# Altium PCB Allwinner_A13_BRD.PcbDoc (part 4 of 5) (continued)
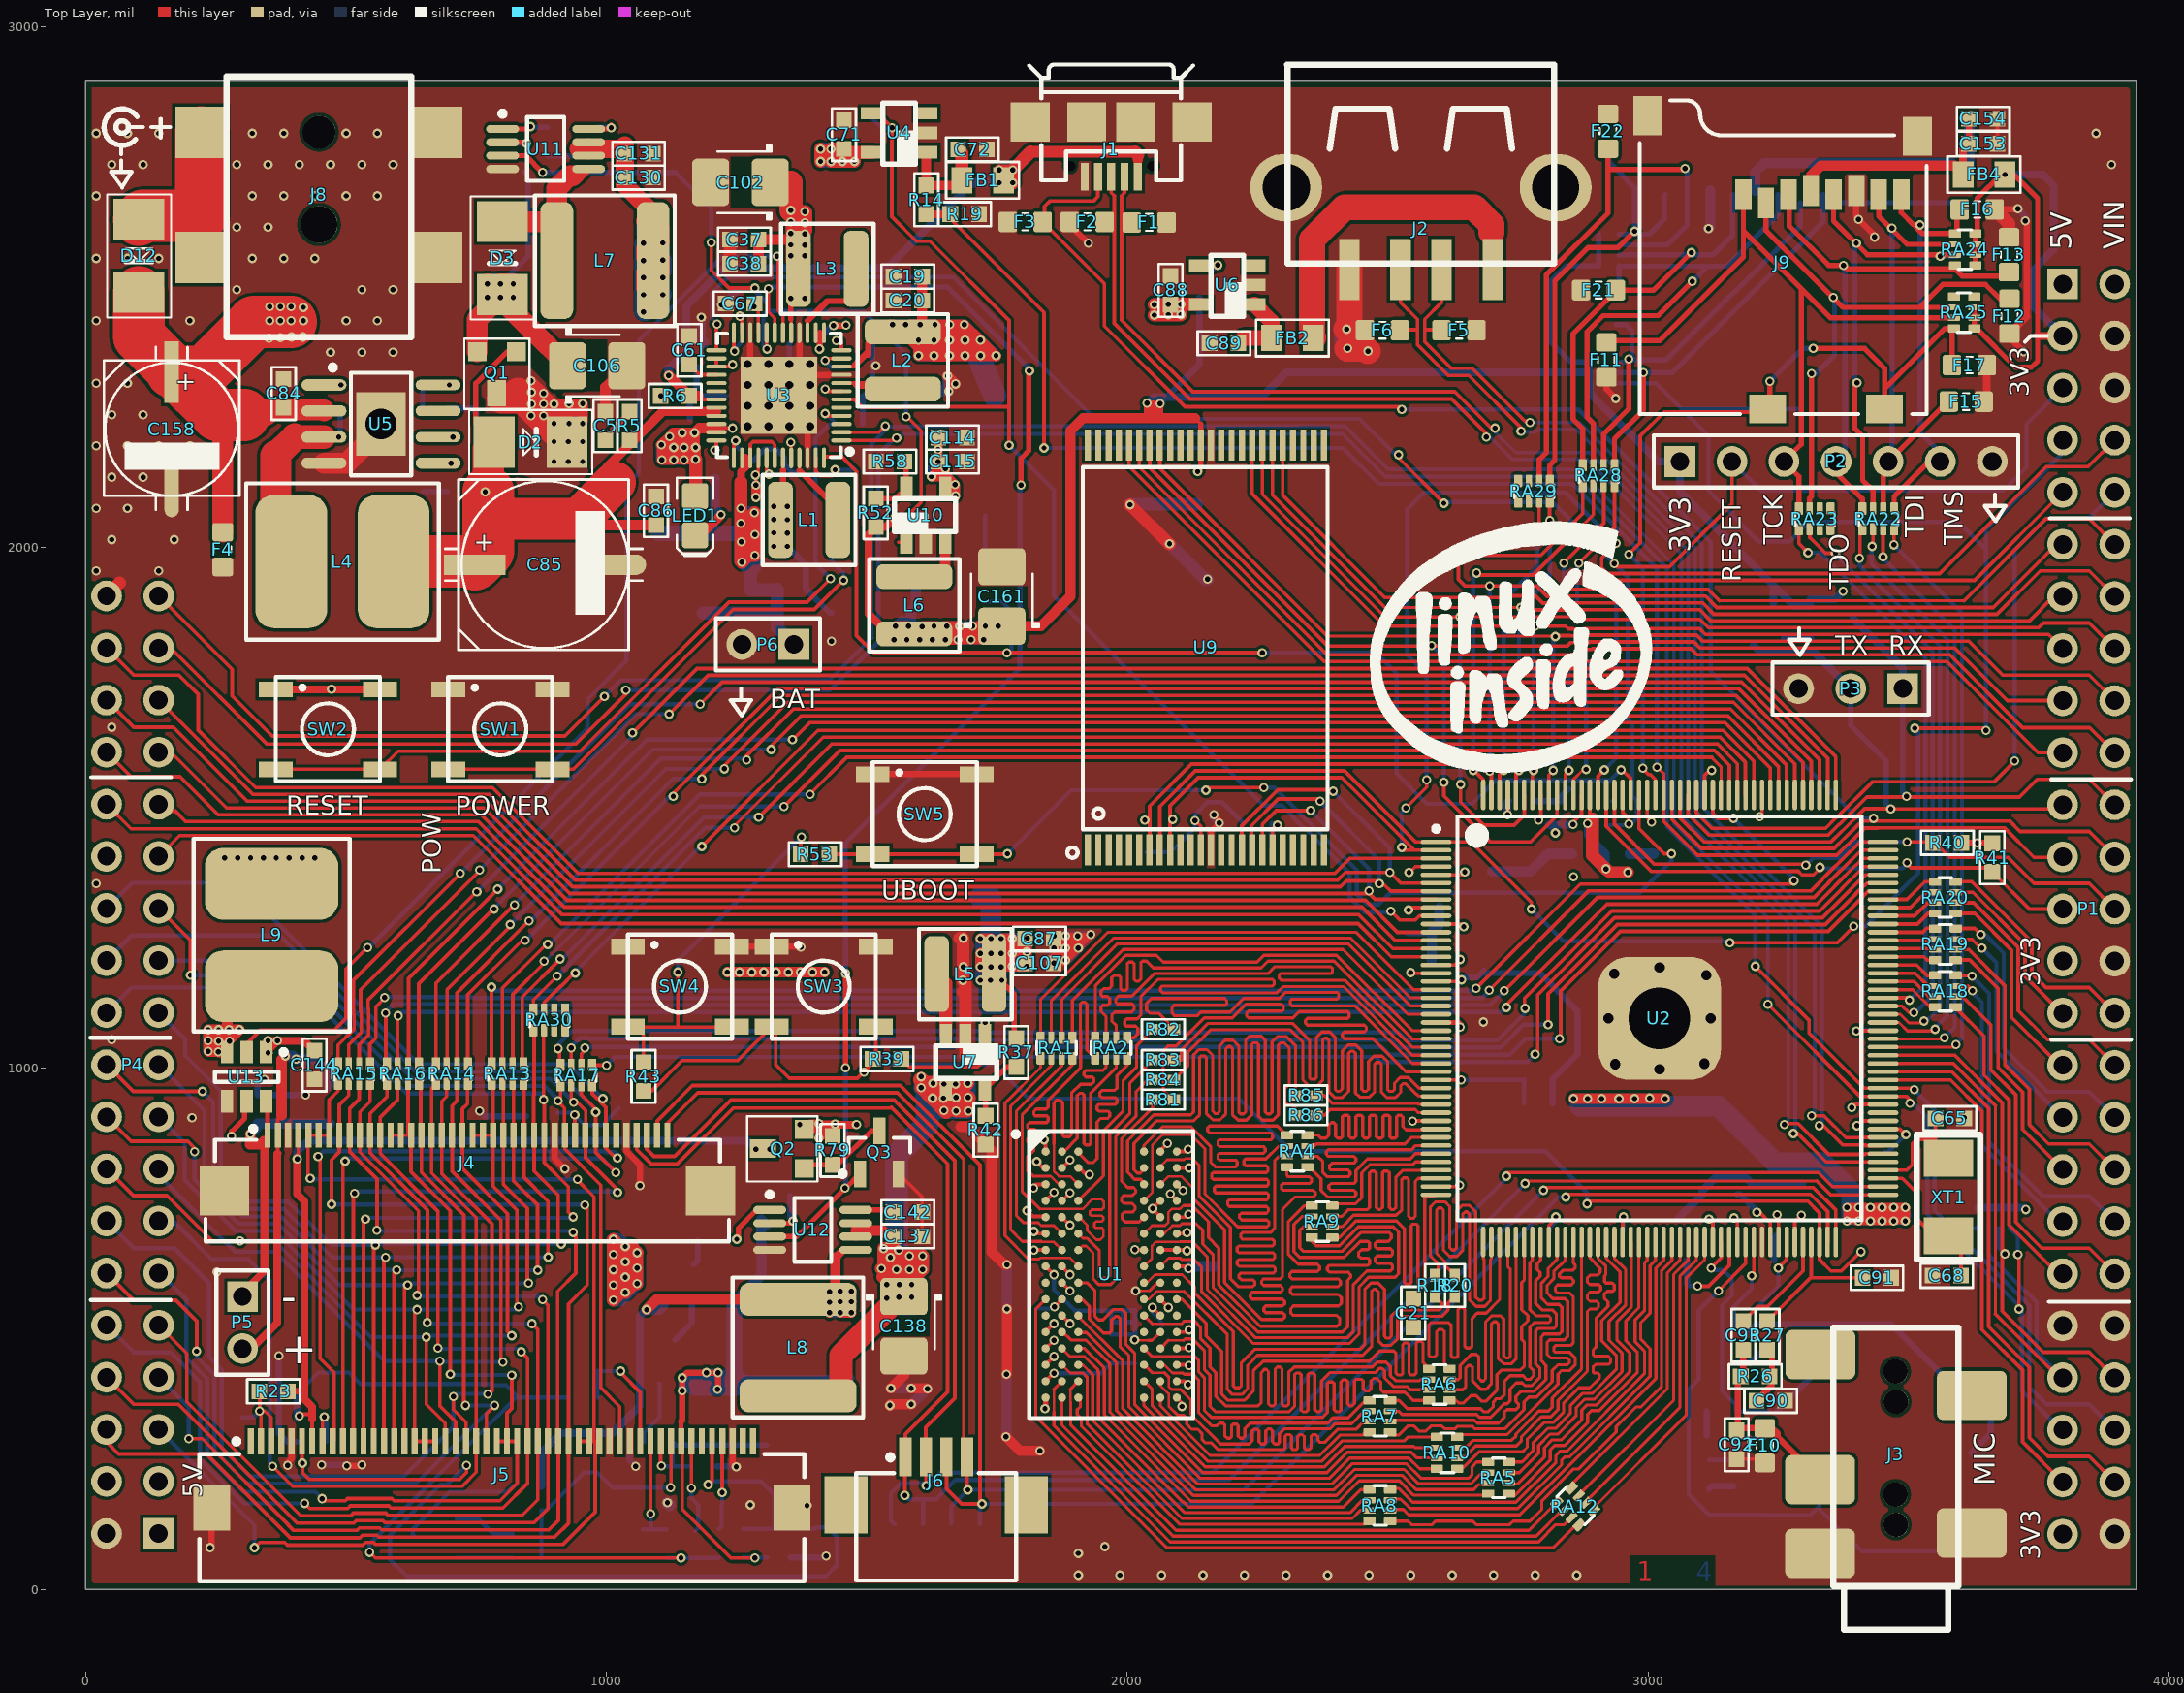
[diagram p0: Top Layer view]
## Nets (pads, with @x,y where several pads share a name; then routed paths per layer and width w, separated by ;. In a path a pad name is that pad's centre, name@x,y a point inside that pad or via, vN(x,y) a via of type N, cw(c..) or ccw(c..) an arc to the next point about the centre after c; other vN are vias at no path point) (continued)
LCD_G15: J4.20 J5.20 P4.16 RA14.4 | length 1655.3
  Top Layer w7: P4.16@40,807 91,756 156,756 243,669 v1(296,669) ; v1(654,484) 654,355 690,319 690,284.71 J5.20@690.73,283.98 ; RA14.4@733.51,970.31 733,969.8 733,932 723.16,922.16 J4.20@723.16,871.62 723.16,807.84 810,721 810,494.79 v1(818,486.79)
  Bottom Layer w8: v1(296,669) 362.38,669 547.38,484 v1(654,484) 656.79,486.79 v1(818,486.79)
LCD_HSYNC: J4.32 J5.11 P4.23 RA17.2 | length 2138
  Top Layer w7: J5.11@513.57,283.98 514,284.41 514,758 v1(516,760) ; RA17.2@932.16,967.31 932.16,939.84 v1(937,935) ; v1@940.5,938.5 960,919 960,872.25 J4.32@959.38,871.62 959.38,828.62 1021,767 v1(1021,762)
  Bottom Layer w8: P4.23@140,1207 400.4,1207 627.4,980 892,980 v1(937,935) ; v1@515,763.52 1019.48,763.52 v1(1021,762)
LCD_L/R: J5.39 R47.2 R55.1 | length 250.6
  Top Layer w7: v1(1027,419) 1027,416 1065,378 1065,284.23 J5.39@1064.75,283.98
  Bottom Layer w8: R47.2@983,368 R55.1@983,420 988,415 992,419 v1(1027,419)
LCD_MODE: J5.8 R46.2 R54.1 | length 101.2
  Top Layer w7: J5.8@454.51,283.98 454.51,327.51 v1(458,331)
  Bottom Layer w8: v1(458,331) 457,331 455,329 461.97,322.03 R54.1@461.97,283
LCD_PWR: Q3.1 U3.19 U12.3 | length 2606.8
  Top Layer w7: v1(1311,2497) 1311,2452 1323.13,2439.87 U3.19@1323.13,2412.08
  Top Layer w10: U12.3@1313.32,677.2 1365.2,677.2 v1(1458,770) 1458.94,770 Q3.1@1486.6,797.66 ; v1(1459,1001) v1(1459,1182) ; v1(1796,2120) 1796,2171 1811,2186 1811,2338 v1(1812,2339)
  Bottom Layer w10: v1(1311,2497) 1314,2500 1655,2500 1812,2343 v1(1812,2339) ; v1(1458,770) 1459,771 v1(1459,1001) ; v1(1459,1182) 1459,1278 1458,1279 1458,1432 1794,1768 1794,2123 1796,2121 v1(1796,2120)
LCD_R18: J4.5 J4.6 J4.7 J5.33 J5.34 J5.35 P4.5 RA15.1 | length 2421
  Top Layer w6: 976,285.98 976,753.68
  Top Layer w7: v1(324,80) 334,90 382.2,90 387.2,85 532.13,85 537.13,90 552.87,90 556.87,86 916,86 978,148 978,283.98 ; v1(431,789) 427,793 427,870.74 J4.5@427.88,871.62 J4.6@447.57,871.62 J4.7@467.25,871.62 467.25,939.25 484.49,956.49 RA15.1@484.49,970.31 ; v1(944,787) 944,785.68 976,753.68 ; J5.33@946.64,283.98 J5.34@966.32,283.98 978,283.98 ; 976,285.98 978,283.98
  Bottom Layer w8: P4.5@140,307 324,123 v1(324,80) ; v1(431,789) 433,787 v1(944,787)
LCD_R19: J4.8 J5.32 P4.6 RA15.2 | length 2361.4
  Top Layer w7: P4.6@40,307 40,283 63,260 232,260 393,99 526.33,99 531.33,104 558.67,104 562.67,100 900,100 926.95,126.95 J5.32@926.95,283.98 926.95,547.95 963,584 963,733 v1(958,738) ; v1(472,739) 472,824.39 486.94,839.33 J4.8@486.94,871.62 486.94,929.94 505,948 505,970.16 RA15.2@505.16,970.31
  Bottom Layer w8: v1(472,739) 472.63,738.37 v1@958,738.37
LCD_R20: J4.9 J5.31 P4.7 RA15.3 | length 2191.5
  Top Layer w7: v1(198,289) 224,289 389,124 389,123.2 399.2,113 520.53,113 525.53,118 564.47,118 568.47,114 889,114 907.27,132.27 J5.31@907.27,283.98 ; RA15.3@524.84,970.31 525,970.16 525,941 506.62,922.62 J4.9@506.62,871.62 506.62,840.38 559.31,787.69 559.31,689.31 v1(559,689) ; J5.31@906,283.98 906,572 941,607 941,680 v1(936,685)
  Bottom Layer w8: P4.7@140,407 198,349 v1(198,289) ; v1@562,688.05 932.95,688.05 v1(936,685)
LCD_R21: J4.10 J5.30 P4.8 RA15.4 | length 2091.4
  Top Layer w7: P4.8@40,407 92,355 177.8,355 405.8,127 514.73,127 519.73,132 570.27,132 574.27,128 861,128 887.58,154.58 J5.30@887.58,283.98 887.58,545.42 v1(877,556) ; RA15.4@545.51,970.31 546,969.83 546,936 526.31,916.31 J4.10@526.31,871.62 526.31,839.08 639,726.38 639,567 v1(636,564)
  Bottom Layer w8: v1(636,564) 637,563 637,562.26 870.74,562.26 v1(877,556)
LCD_R22: J4.11 J5.29 P4.9 RA16.1 | length 2011.5
  Top Layer w7: P4.9@140,507 194,453 194,360 413,141 508.93,141 513.93,146 576.07,146 580.07,142 838,142 867.9,171.9 J5.29@867.9,283.98 867.9,499.1 v1(857,510) ; RA16.1@578.49,972 578.49,945.49 545.99,912.99 J4.11@545.99,871.62 545.99,837.78 656,727.77 v1(656,512)
  Bottom Layer w8: v1@658,511.95 659.95,510 v1(857,510)
LCD_R23: J4.12 J5.28 P4.10 RA16.2 | length 2049.3
  Top Layer w7: v1(420,165) 430,155 503.14,155 508.14,160 581.86,160 585.86,156 801,156 848.21,203.21 J5.28@848.21,283.98 848.21,443.79 v1(836,456) ; RA16.2@599.16,969 599.16,940.16 565.68,906.68 J4.12@565.68,871.62 565.68,836.48 676,726.15 v1(676,463)
  Bottom Layer w8: P4.10@40,507 92,455 163,455 219,399 219,250 304,165 v1(420,165) ; v1@677,461.63 830.37,461.63 v1(836,456)
LCD_RESET_N: C118.1 J5.44 R45.2 | length 179.8
  Top Layer w7: v1(1163.17,194) J5.44@1163.17,283.98
  Bottom Layer w8: v1(1163.17,194) 1163.17,174.83 C118.1@1176,162 1176,117.97 R45.2@1170,111.97
LCD_U/D: J5.40 R48.2 R56.1 | length 230.2
  Top Layer w7: J5.40@1084.43,283.98 1084.43,145.57 v1(1085,145)
  Bottom Layer w8: v1(1085,145) 1085,115 R56.1@1070,115 R48.2@1116,115
LCD_VCC: C159.2 C160.2 J4.4 J5.7 Q2.D R23.1 R44.1 R45.1 R46.1 R47.1 R48.1 R49.1 | length 3420.1
  Top Layer w7: v1@406,829 v1@408.2,831.2 ; 408.2,756.8 v1@408.2,831.2 ; J4.4@408.2,871.62 v1@408.2,831.2 ; v1(410,333) 413,336 434.5,336 ; J5.7@434.83,283.98 434.83,327 ; 434.83,336 434.83,337.23 ; v1(545,71) 556,60 v1(1143,60)
  Top Layer w12: R23.1@388,380 419,380 420,381
  Top Layer w15: v1@406,829 406,759 408.2,756.8 420,745 420,381 420,365 434.83,350.17 434.83,337.23 434.5,336.91 434.5,336 434.5,327 ; v1(1287,845) v1(1314,845)
  Bottom Layer w8: C160.2@407,376 447,416 506,416 528,394 779.87,394 781.87,392 807.15,392 828.57,370.57 804,346 804,345.13 792.87,334 792,334 545,87 v1(545,71) ; 831.15,368 R47.1@928,368 ; R48.1@1116,60 v1(1143,60) 1215.03,60 R49.1@1216,60.97
  Bottom Layer w15: v1(406,826) 406,840 427,861 1271,861 v1(1287,845) ; R46.1@406.97,329 C160.2@407,376
  Bottom Layer w20: v1(1287,845) v1(1314,845)
LCD_VCOM: C126.1 J5.6 J5.46 R59.2 R60.2 R64.1 R65.1 | length 2053.8
  Top Layer w7: J5.6@415.14,283.98 415.14,242.86 v1(416,242) 416,224 429,211 717.62,211 731,224.38 v1(731,238) ; v1@1198,203 1202.54,207.54 J5.46@1202.54,283.98
  Bottom Layer w8: v1(731,238) 694,201 681.12,201 584,103.88 584,57 616,25 1421,25 1443,47 1443,100 1424,119 1403,119 R64.1@1400,116 R65.1@1354,116 1324,116 ; 1202,207 1297,207 1322,182 C126.1@1322,162 1322,118 1324,116 ; R60.2@1262,116 R59.2@1308,116 1324,116
  other v1: 1195,201
LCD_VSYNC: J4.33 J5.10 P4.24 RA17.3 | length 2359.6
  Top Layer w7: J5.10@493.88,283.98 v1@493.88,815.88 ; RA17.3@951.84,967.31 951.19,966.66 951.19,949.81 979.06,921.94 v1(979.06,916) J4.33@979.06,871.62 979.06,838.94 v1(1018,800)
  Bottom Layer w8: P4.24@40,1207 88,1255 372.2,1255 633.2,994 904.87,994 979.06,919.81 v1@979.06,918.39 ; v1(498,822) 503,827 991,827 v1(1018,800)
LRADC: C99.2 R39.2 R43.2 SW3.2 U2.86 | length 2824.2
  Top Layer w7: R43.2@1071,957 1087,957 1145,1015 1251.77,1015 SW3.2@1317,1080.23 1325,1072.23 1325,1007 1351,981 1482,981 v1(1494,993) 1511,1010 R39.2@1511,1018 1517,1024 SW3.2@1517,1080.23 ; v1(2883,740) 2888,745 3306.62,745 3329.09,722.53 U2.86@3329.09,666.87 3329.09,632.91 3351,611 3371,611 3408,648 v1(3409,648)
  Bottom Layer w8: v1(1494,993) 1508,1007 1745,1007 1810,942 2214,942 2315,841 2803,841 2883,761 v1(2883,740)
MAIN_IN: C84.2 C158.+ D12.K F4.2 P1.2 U5.2 | length 6316.2
  Top Layer w25: v1(353,2435) v1(353,2462) ; v1(394,2462) v1(394,2435) 394,2433 395,2432 v1(395,2404) ; v1(418,2435) v1(418,2461)
  Top Layer w40: 252.9,2254.1 263,2244 F4.2@263,2029.46 ; 304,2254.1 346.9,2254.1 355.29,2262.5 ; 333.29,2264.5 457.35,2264.5 U5.2@457.35,2262
  Top Layer w100: D12.K@102,2489.79 102,2405 C158.+@170,2337 ; C158.+@165,2337 C158.+@170,2337 ; 304,2254.1 252.9,2254.1 C158.+@170,2337 ; v1@394,2433 323,2433 227,2337 C158.+@170,2337
  power w25: v1(374,2403) v1(374,2435) v1(374,2462) ; v1(374,2462) v1(394,2462) 417,2462 v1(418,2461) 417,2460 417,2458 v1(417,2404) 415,2402 v1(352,2402) 353,2403 v1(353,2435) v1(353,2462) v1(374,2462)
  power w55: v1@417,2458 811,2852 3702,2852
  power w60: v1(394,2435) v1@417,2458 ; 3702,2852 3894,2660 3894,2508 P1.2@3896,2506
  gnd w25: v1(353,2462) v1@353,2460 ; v1(374,2403) v1@373,2402 ; v1@394,2433 408,2419 ; 353,2419 353,2403 v1(352,2402) v1@373,2402 ; 353,2419 v1(353,2435) ; 353,2419 408,2419 ; v1(353,2435) v1(374,2435) ; v1(353,2435) v1@353,2460 ; v1@353,2460 355,2462 v1(374,2462) ; v1@373,2402 415,2402 v1(417,2404) v1@417,2410 ; v1(374,2435) v1@388,2435 ; v1(374,2435) 374,2449 ; 374,2449 v1(374,2462) ; 374,2449 v1@388,2435 ; v1(374,2462) v1(394,2462) ; v1@388,2435 v1(394,2435) ; v1(394,2435) v1(418,2435) ; v1(394,2435) v1(394,2462) ; v1(394,2462) 395,2461 v1(418,2461) v1(418,2435) ; 408,2419 v1@417,2410 ; v1@417,2410 417,2434 v1(418,2435)
  Bottom Layer w25: v1(353,2462) v1(353,2435) ; v1(374,2403) 375,2404 v1(395,2404) ; v1(374,2435) v1(353,2435) ; v1(394,2435) v1@417,2435 ; v1@417.56,2461.44 v1(418,2461) ; v1@353,2403 v1(352,2402) 415,2402 v1(417,2404) ; v1@353,2403 v1(353,2435) ; v1@353,2403 383,2433 ; 383,2433 355,2461 v1@411,2461 ; 383,2433 v1@411,2461 ; 383,2433 412,2404 v1(417,2404) ; v1@411,2461 v1@417,2461 ; v1(417,2404) v1@417,2434 ; v1@417,2434 v1(418,2435) v1@417,2435 ; v1@417,2434 v1@417,2435 ; v1@417,2435 v1@417,2460 ; v1@417,2460 v1(418,2461) ; v1@417,2460 v1@417,2461 ; v1@417,2461 v1(418,2461)
MICIN: C92.2 C93.1 F10.2 J3.3 R26.2 | length 366.6
  Top Layer w12: C93.1@3187,460 3183,456 3183,409 3172,398 3172,305 3176.46,309.46 F10.2@3224,309.46 3238.54,309.46 3249,299 3249,291.83 J3.3@3330.33,210.5
NAND_WP: C129.1 R61.1 U9.19 | length 99.3
  Top Layer w7: U9.19@2278.95,1419.22 2278.95,1460.95 2285,1467 v1(2288,1467)
  Bottom Layer w10: C129.1@2278,1424 R61.1@2278,1470
NetC2_1: C2.1 C3.2 R2.1 R3.1 U1.H1 U1.M8 | length 505.7
  Top Layer w5: v2(2014,479) 2015,478 2040,478
  Top Layer w6: 2040,478 2047.57,478 U1.M8@2063.52,493.94
  Top Layer w7: U1.H1@1843.07,619.93 v2(1859,604)
  Bottom Layer w8: v2(1859,604) 1859,575 1899,535 R3.1@1969,535
  Bottom Layer w9: R2.1@1969.03,489.18 1969,513 ; R2.1@1969.03,489.18 1992,489.18 1992,513 ; 1994,489.18 C2.1@2014,489.18 ; 1994,535 C3.2@2015,535 2015,514 ; C2.1@2015,489 2015,514 ; 1969,513 1992,513 ; 1969,513 R3.1@1969,535 1992,535 1992,513 ; 1992,513 2014,513 2015,514
NetC5_2: C5.2 R5.1 | length 74.1
  Top Layer w12: C5.2@998,2206 998,2212 1044,2258 R5.1@1044,2261
NetC6_1: C6.1 C9.1 L1.2 R4.1 U3.43 | length 807.3
  Top Layer w7: 1338.87,2148.87 U3.43@1338.87,2171.92
  Top Layer w12: v1(1321,2002) v1(1347,2002) L1.2@1348,2002 ; v1(1321,2028) 1321,2040.12 L1.2@1333.88,2053 1322,2053 v1(1321,2054) ; 1338.87,2148.87 1338.87,2088.87 1329,2079 L1.2@1348,2079 ; L1.2@1350,2029 L1.2@1350,2053
  gnd w12: v1(1347,2002) v1(1347,2027.67) v1(1347,2053.33) v1(1347,2079)
  gnd w20: 1334,2004 1334,2077 1336,2079 v1(1347,2079) v1(1321,2079) v1(1321,2054) v1(1321,2028) v1(1321,2002) v1(1347,2002)
  Bottom Layer w12: v1(1321,2002) v1(1321,2028) ; v1(1321,2079) 1329,2079 R4.1@1348,2060 ; v1(1347,2002) 1383,1966 C6.1@1383,1920 1428,1875 C9.1@1432,1875 ; R4.1@1349,2060 R4.1@1350,2059 ; R4.1@1350,2002 R4.1@1350,2059 ; R4.1@1350,2079 R4.1@1350,2059
NetC11_2: C11.2 R6.1
  other v1: 1104,2291
NetC64_2: C64.2 U3.24 | length 58.1
  Top Layer w7: U3.24@1244.39,2412.08 1244.39,2378.61 v1(1246,2377)
  Bottom Layer w8: v1(1246,2377) 1245,2377 1244,2378 1256,2390 C64.2@1256,2393
NetC65_2: C65.2 U2.92 XT1.2 | length 235.4
  Top Layer w7: U2.92@3451.13,804.66 3496.66,804.66 3508,816 3508,856 3516,864 3552,864 ; C65.2@3552,904 3552,864 ; XT1.2@3577,827.8 3552,852.8 3552,864
NetC68_2: C68.2 U2.91 XT1.1 | length 287.2
  Top Layer w7: U2.91@3451.13,788.91 3488.09,788.91 3517,760 3517,710 3548.8,678.2 XT1.1@3577,678.2 3601,654.2 C68.2@3601,602
NetC72_2: C72.2 FB1.1 R14.1 U4.1 | length 183.5
  Top Layer w18: U4.1@1613.97,2758.6 R14.1@1614,2695 FB1.1@1672.03,2695.03
  Top Layer w25: C72.2@1675,2764 1682,2757 FB1.1@1682,2705
NetC73_1: C73.1 U3.11 | length 77.1
  Top Layer w7: v1@1419,2358 1419,2357 1424.87,2362.87 U3.11@1451.08,2362.87
  Bottom Layer w8: v1@1419,2358 1430,2347 C73.1@1456,2347
  other v1: 1420,2359
NetC75_2: C75.2 R12.2 U3.47 | length 115.3
  Top Layer w7: U3.47@1401.87,2171.92 1401.87,2146.13 1410,2138 1434,2138 1439,2143 v1(1439,2149)
  Bottom Layer w8: v1(1439,2149) 1470,2149 1474,2153 C75.2@1477,2150
NetC76_2: C76.2 C77.1 U2.80 | length 120.5
  Top Layer w7: v1(3209,724) 3214,724 3234.6,703.4 U2.80@3234.6,666.87
  Bottom Layer w12: C77.1@3171,758 3177,758 C76.2@3208,727
NetC78_2: C78.2 U2.83 | length 56.2
  Top Layer w7: U2.83@3281.84,666.87 3281.84,705.84 v1(3294,718)
NetC79_2: C79.2 C80.1 R21.2 U2.82 | length 203.6
  Top Layer w7: v1(3250,617) 3266.09,633.09 U2.82@3266.09,666.87
  Bottom Layer w8: C80.1@3204,536 3250,582 v1(3250,617)
  Bottom Layer w12: C79.2@3242,632 3242,675.64 3241.82,675.82 R21.2@3244,678
NetC89_2: C89.2 FB2.1 U6.1 | length 146.4
  Top Layer w30: C89.2@2213,2392 2223,2402 FB2.1@2277,2402 2277,2433.57 U6.1@2243.97,2466.6
NetC90_1: C90.1 R26.1 R27.2 | length 112.5
  Top Layer w12: C90.1@3208,362 3238,392 3238,409 3238,455 R27.2@3233,460
NetC91_1: C91.1 R27.1 U2.85 | length 290
  Top Layer w7: R27.1@3233,515 R27.1@3229,515 3313.34,599.34 ; U2.85@3313.34,666.87 3313.34,599.34 ; C91.1@3412,598 3314.67,598 3313.34,599.34
NetC93_2: C93.2 U2.84 | length 210.1
  Top Layer w7: C93.2@3183,515 3211.12,543.12 3229.48,543.12 3297.59,611.23 U2.84@3297.59,666.87
NetC96_2: C96.2 R28.1 | length 47.2
  Bottom Layer w10: C96.2@647,2313 647,2270 R28.1@650,2267
NetC97_2: C97.2 C98.1 U2.75 | length 190
  Top Layer w7: v1(3095,582) 3116,582 3155.86,621.86 U2.75@3155.86,666.87
  Bottom Layer w8: C97.2@3075,586 3079,582 v1(3095,582)
  Bottom Layer w12: C97.2@3075,586 C98.1@3075,632
NetC106_1: C106.1 C132.2 C133.1 D3.K Q1.S R66.2 | length 909.9
  Top Layer w38: 855.36,2419 C106.1@924.91,2349.44
  Top Layer w40: Q1.S@752,2376 752,2437.79 D3.K@800,2485.79 ; v1(771,2506) 791.21,2485.79 D3.K@800,2485.79 ; v1(796,2480) D3.K@800,2480 ; v1(796,2506) v1(821,2506) ; v1(821,2480) D3.K@800,2480 ; 855.36,2419 854.91,2419 800,2473.91 D3.K@800,2480 ; C106.1@924.91,2349 C106.1@924.91,2349.44 ; D3.K@800,2480 D3.K@800,2485.79
  gnd w20: v1(771,2506) v1(796,2506) v1(821,2506) v1(821,2480) v1(796,2480) v1(771,2480) 772,2481 772,2494 ; v1@772,2505 772,2494 ; 808,2495 807,2494 772,2494
  Bottom Layer w10: v1(796,2506) 849,2559 C132.2@849,2675 849,2713 R66.2@841,2721
  Bottom Layer w40: v1(771,2480) v1(796,2480) ; v1(771,2506) v1(796,2506) ; v1(821,2480) v1(821,2506)
NetC109_1: C109.1 R34.1 | length 46
  Bottom Layer w12: C109.1@3113,295 R34.1@3113,341
NetC110_1: C110.1 R35.1 | length 49.1
  Bottom Layer w12: C110.1@3117,193 3122,198 R35.1@3164,198
NetC111_1: C111.1 R36.1 | length 55.5
  Bottom Layer w12: R36.1@3174,435 3197,435 C111.1@3220,458
NetC135_1: C135.1 U11.8 | length 80.9
  Top Layer w10: U11.8@965.68,2803.39 1001.39,2803.39 1009,2811 v1(1009,2806)
  Bottom Layer w10: C135.1@980,2807 1008,2807 v1(1009,2806)
NetC136_2: C136.2 R67.1 | length 46
  Bottom Layer w10: R67.1@887,2752 C136.2@933,2752
NetC142_1: C142.1 U12.8 | length 74.1
  Top Layer w10: U12.8@1478.68,728.39 1546.61,728.39 C142.1@1551,724
NetC143_2: C143.2 R70.1 | length 50.3
  Bottom Layer w10: C143.2@1167,623 1175,631 R70.1@1175,670
NetC145_1: C145.1 D6.3 | length 77.9
  Bottom Layer w12: D6.3@1132,479.34 1164,511.34 C145.1@1164,544
NetC147_2: C147.2 D6.2 R72.1 | length 126.7
  Bottom Layer w8: R72.1@1072,282 1072,301 C147.2@1102,331 1102,394.26 D6.2@1100.6,395.66
NetC149_2: C149.2 U13.5 | length 78.8
  Top Layer w10: v1(280,870) 280,879 305,904 305,932.76 U13.5@309,936.76
NetC150_1: C150.1 D8.3 | length 239.7
  Bottom Layer w8: D8.3@629.66,103 628,104.66 628,116 699,187 809,187 C150.1@820,198
NetC151_2: C151.2 D8.1 R74.1 | length 119.8
  Bottom Layer w8: D8.1@712.34,135.4 753.6,135.4 C151.2@774,115 783,106 R74.1@820,106
NetC155_1: C155.1 C156.2 FB5.2 J10.4 | length 560
  Bottom Layer w20: J10.4@3206.05,2685.13 3206.05,2721.05 3223,2738 3583,2738 FB5.2@3605,2716 3617,2728 C155.1@3617,2774 C156.2@3617,2820
NetD1_K: D1.K R16.1 | length 112.8
  Bottom Layer w8: D1.K@1727.21,2061 1727.21,1957.79 R16.1@1734,1951
NetD3_A: D3.A L7.2 U11.5 | length 416
  Top Layer w15: 935,2714 936,2715 936,2721 948.03,2708.97 U11.5@965.68,2726.61
  Top Layer w40: D3.A@800,2625.55 L7.2@904.48,2625.55 ; 935,2714 929,2714 904.48,2689.48 L7.2@904.48,2625.55 ; L7.2@904.48,2625.55 905.55,2625.55 908,2628 908,2554.52 L7.2@904.48,2551 L7.2@904.48,2625.55
NetD5_A: D5.A L9.2 U13.3 | length 1207.4
  Top Layer w20: L9.2@362,1157.57 L9.2@357,1157.57 L9.2@303.17,1157.57 ; v1(254.79,1031.63) 255,1031.84 v1@255,1047.84 ; v1(254.79,1031.63) 236.37,1031.63 v1(235,1033) v1(235,1053) v1(235,1074) v1(255,1074) ; v1(254.79,1031.63) 255.17,1031.24 U13.3@271.6,1031.24 ; v1@255,1047.84 v1(255,1052) v1(255,1074) ; v1@255,1047.84 U13.3@271.6,1031.24 ; v1(255,1074) v1@271.6,1074 ; U13.3@271.6,1031.24 U13.3@271.6,1050.6 ; U13.3@271.6,1050.6 v1(295,1074) v1(275,1074) v1@271.6,1074 ; U13.3@271.6,1050.6 v1@271.6,1074 ; v1@271.6,1074 L9.2@271.6,1126 ; L9.2@271.6,1126 L9.2@303.17,1157.57 ; L9.2@271.6,1126 271.6,1157.57 L9.2@303.17,1157.57
  power w20: v1(235,1053) 247,1065 270,1065 v1@275,1070 ; v1(235,1053) v1(235,1074) v1(255,1074) v1(275,1074) ; v1(235,1053) 236,1052 v1(255,1052) ; v1(235,1053) v1(235,1033) 236.37,1031.63 v1(254.79,1031.63) v1@255,1031.84 ; v1@255,1031.84 v1(255,1052) ; v1@255,1031.84 275.16,1052 v1(255,1052) ; v1@275,1070 275,1053 v1(276,1052) 295,1071 v1(295,1074) v1(275,1074) ; v1@275,1070 v1(275,1074)
  gnd w20: v1(235,1033) v1(235,1053) ; v1@236,1033 237.37,1031.63 v1(254.79,1031.63) 255.63,1031.63 v1(276,1052) ; v1(235,1053) v1(235,1074) v1(255,1074) v1(275,1074) v1(295,1074) v1@276,1055 ; v1(235,1053) 236,1052 v1(255,1052) v1(276,1052) ; v1(235,1053) 245,1063 245,1066 266,1066 276,1056 v1@276,1055 ; v1(276,1052) v1@276,1055
  Bottom Layer w20: v1(235,1033) 236.37,1031.63 v1(254.79,1031.63) 254.79,1051.79 v1(255,1052) v1(255,1074) v1(235,1074) v1(235,1053) v1(235,1033)
NetD12_A: D12.A J8.4 | length 282.9
  Top Layer w100: D12.A@102,2629.55 109.45,2637 221.62,2637 J8.4@221.62,2797.15
NetFB2_2: FB2.2 J2.1 | length 660.8
  Top Layer w35: 2699,2605 2701.8,2602.2 J2.1@2701.8,2533.52
  Top Layer w50: FB2.2@2357,2402 2355,2404 2355,2591 2417,2653 2666,2653 2699,2620 2699,2605
NetL1_1: L1.1 U3.45 | length 148.6
  Top Layer w7: 1370.37,2147.63 U3.45@1370.37,2171.92
  Top Layer w12: 1370.37,2147.63 1442,2076 L1.1@1442,2053
NetL2_1: L2.1 U3.8 | length 125.3
  Top Layer w7: U3.8@1451.08,2315.62 1477.62,2315.62 1481.24,2312
  Top Layer w15: 1481.24,2312 1554.88,2312 L2.1@1569,2297.88
NetL3_1: L3.1 U3.15 | length 128.6
  Top Layer w7: U3.15@1386.12,2412.08 1386.12,2435.12
  Top Layer w12: 1386.12,2435.12 1424,2473 L3.1@1476,2473
NetL5_1: L5.1 U7.3 | length 124.4
  Top Layer w25: L5.1@1633.88,1181 1651.6,1163.28 U7.3@1651.6,1063.97
NetL6_1: L6.1 U10.3 | length 67.6
  Top Layer w20: L6.1@1649,1943 1650.4,1944.4 U10.3@1650.4,2010.03
NetLED1_K: LED1.K R8.1 | length 141.3
  Top Layer w18: LED1.K@1170,2023.5 1180.5,2023.5 v1(1220,2063)
  Bottom Layer w18: R8.1@1208,2133 1208,2075 v1(1220,2063)
NetQ2_G: Q2.G Q3.3 R79.1 | length 174
  Top Layer w10: Q2.G@1380,808 1387,815 R79.1@1434,815 1444,815 1509.34,880.34 Q3.3@1524,880.34
NetR1_2: R1.2 U3.37 | length 58.7
  Top Layer w7: U3.37@1244.39,2171.92 1244.39,2204.39 1245,2205 v1(1248,2205)
  Bottom Layer w8: v1(1248,2205) 1248,2201 1245,2198 R1.2@1255,2188
NetR8_2: R8.2 U3.36 | length 27
  Top Layer w7: v1(1208,2187) 1210.92,2189.92 U3.36@1210.92,2205.39
  Bottom Layer w8: v1(1208,2187) R8.2@1208,2188 1208,2193 R8.2@1209,2194
NetR10_2: R10.2 U1.L8 | length 64.9
  Top Layer w6: v2(2048,541) U1.L8@2063.52,525.44
  Bottom Layer w6: v2(2048,541) 2048,531 2067,512 R10.2@2067,506
NetR11_2: R11.2 U3.23 | length 38.5
  Top Layer w7: v1@1255,2443 1260.13,2437.87 U3.23@1260.13,2412.08
  Bottom Layer w8: R11.2@1255,2443 1255,2439 R11.2@1256,2438
  other v1: 1256,2444
NetR22_2: R22.2 U2.17 | length 49.4
  Top Layer w7: v1(2544,1184) 2545.39,1182.61 U2.17@2592.87,1182.61
NetR24_1: R24.1 R29.2 | length 46
  Bottom Layer w10: R29.2@648,2108 R24.1@694,2108
NetR25_2: R25.2 U6.4 | length 73.1
  Top Layer w7: U6.4@2140.03,2541.4 2173.4,2541.4 v1(2174,2542)
  Bottom Layer w8: R25.2@2138,2535 2167,2535 v1(2174,2542)
NetR32_2: R32.2 U5.8 | length 2.4
  Bottom Layer w10: R32.2@696,2313 697,2313 v1(698,2312)
NetR37_1: R37.1 R42.2 U7.5 | length 130.1
  Top Layer w10: R42.2@1728,909 1728,958.43 U7.5@1726.4,960.03 1769.37,1003 R37.1@1787,1003
NetR43_1: R43.1 R53.2 SW4.2 | length 774.6
  Top Layer w7: R43.1@1071,1012 1071,1064.23 1056,1079.23 1137,1079.23 ; v1(1137,1185) 1137,1079.23 ; SW4.2@1256,1079.23 1137,1079.23 ; R53.2@1373,1411 v1@1373,1443 ; v1(1374,1444) v1@1373,1443 ; v1@1375,1446 1373,1444 v1@1373,1443
  Bottom Layer w8: v1(1137,1185) 1137,1207 1162,1232 ; 1162,1233 1162,1232 ; v1(1374,1444) 1162,1232
NetR52_1: R52.1 R58.2 U10.5 | length 122.5
  Top Layer w10: R52.1@1517,2094 1555.63,2094 U10.5@1575.6,2113.97 1575.6,2150.4 R58.2@1562,2164
NetR66_1: R66.1 R68.2 U11.2 | length 97.4
  Top Layer w10: U11.2@800.32,2777.8 844.2,2777.8 v1(846,2776)
  Bottom Layer w10: R68.2@795,2776 R66.1@841,2776 v1(846,2776)
NetR67_2: R67.2 U11.1 | length 89
  Top Layer w10: U11.1@800.32,2803.39 849.39,2803.39 v1(854,2808)
  Bottom Layer w10: v1(854,2808) 855,2807 R67.2@887,2807
NetR69_1: R69.1 R71.2 U12.2 | length 97.9
  Top Layer w10: U12.2@1313.32,702.8 1353.8,702.8 v1(1358,707)
  Bottom Layer w10: R71.2@1352,756 1352,713 v1(1358,707)
NetR70_2: R70.2 U12.1 | length 118.1
  Top Layer w10: v1(1250,672) 1253.5,675.5 1253.5,693.5 1288.39,728.39 U12.1@1313.32,728.39
  Bottom Layer w10: R70.2@1230,670 1232,672 v1(1250,672)
NetRA13_5: RA13.5 U2.145 | length 2738.7
  Top Layer w7: RA13.5@840.51,1009.69 838,1012.2 838,1137 v1(911,1210) ; v1(1292,1482) 1433,1623 3133.23,1623 3171.61,1584.62 U2.145@3171.61,1525.13
  Bottom Layer w8: v1(911,1210) 915,1210 1187,1482 v1(1292,1482)
NetRA13_6: RA13.6 U2.146 | length 2734.5
  Top Layer w7: RA13.6@819.84,1009.69 819.84,1141.84 882,1204 v1(880,1206) ; v1(1341,1503) 1448,1610 3127.84,1610 3155.86,1581.98 U2.146@3155.86,1525.13
  Bottom Layer w6: v1@881.54,1206 1178.54,1503
  Bottom Layer w8: v1(880,1206) v1@881.54,1206 ; 1178.54,1503 v1(1341,1503)
NetRA13_7: RA13.7 U2.147 | length 2731.2
  Top Layer w6: 3122.46,1597 3140.11,1579.35 U2.147@3140.11,1525.13
  Top Layer w7: RA13.7@800.16,1009.69 800.16,1154.16 885.5,1239.5 v1(887,1238) ; v1(1391,1526) 1391,1527 1461,1597 3122.46,1597
  Bottom Layer w8: v1(887,1238) 891,1238 1179,1526 v1(1391,1526)
NetRA13_8: RA13.8 U2.148 | length 2985
  Top Layer w7: v1(779,1156) 779,1010.17 RA13.8@779.49,1009.69 ; v1(2670,1154) 2870,1354 3274,1354 v1(3280,1360) ; U2.148@3124.36,1525.13 3124.36,1489.64 3134,1480 v1(3164,1480)
  Bottom Layer w8: v1(779,1156) 786,1149 2665,1149 v1(2670,1154) ; v1(3164,1480) 3280,1364 v1(3280,1360)
NetRA14_5: RA14.5 U2.136 | length 3080.5
  Top Layer w7: RA14.5@733.51,1009.69 733.51,1141.51 838,1246 v1(844,1246) ; v1(1128,1522) 1128,1527.69 1329,1728.69 3174.61,1728.69 3313.34,1589.97 U2.136@3313.34,1525.13
  Bottom Layer w8: v1(844,1246) 845,1246 1121,1522 v1(1128,1522)
NetRA14_6: RA14.6 U2.137 | length 3076.1
  Top Layer w7: RA14.6@712.84,1009.69 712.84,1144.84 v1(851,1283) ; v1(1183,1556) 1183,1563.46 1335.24,1715.69 3169.23,1715.69 3297.59,1587.33 U2.137@3297.59,1525.13
  Bottom Layer w8: v1(851,1283) 855,1283 1128,1556 v1(1183,1556)
NetRA14_7: RA14.7 U2.138 | length 3072.3
  Top Layer w7: RA14.7@693.16,1009.69 694,1010.53 694,1151.46 815,1272.46 v1(815,1276) ; v1(1226,1575) 1226,1581 1347.69,1702.69 3163.84,1702.69 3281.84,1584.69 U2.138@3281.84,1525.13
  Bottom Layer w8: v1(815,1276) 1114,1575 v1(1226,1575)
NetRA14_8: RA14.8 U2.139 | length 3075.7
  Top Layer w7: RA14.8@672.49,1009.69 672.49,1163.49 v1(823,1314) ; v1(1269,1592) 1269,1596 1267,1598 1358.69,1689.69 3158.46,1689.69 3266.09,1582.06 U2.139@3266.09,1525.13
  Bottom Layer w8: v1(823,1314) 1104,1595 1266,1595 v1(1269,1592)
NetRA15_5: RA15.5 U2.132 | length 3143
  Top Layer w7: RA15.5@545.51,1009.69 545.51,1046.36 557,1057.85 557,1118 574,1135 v1(574,1136) ; v1(2695,1150) 2886,1341 3313.43,1341 3334.11,1361.68 3334.11,1362.38 3387.9,1416.18 3388.61,1416.18 3407.01,1434.58 U2.132@3451.13,1434.58
  Bottom Layer w8: v1(574,1136) 575,1137 742,1137 744,1135 2682,1135 2696,1149 v1(2695,1150)
NetRA15_6: RA15.6 U2.133 | length 3358.1
  Top Layer w7: RA15.6@524.84,1009.69 524.84,1045.49 543,1063.64 543,1114.4 542,1115.4 542,1130.87 750.13,1339 v1(751,1339) ; v1(1050,1644) 1173.69,1767.69 3190.76,1767.69 3360.58,1597.88 U2.133@3360.58,1525.13
  Bottom Layer w8: v1(751,1339) 1050,1638 v1(1050,1644)
NetRA15_7: RA15.7 U2.134 | length 3355.8
  Top Layer w7: RA15.7@505.16,1009.69 505.16,1045.6 529,1069.44 529,1108.6 528,1109.6 528,1151 756,1379 v1(756,1381) ; v1(1120.31,1680) 1195,1754.69 3185.38,1754.69 3344.83,1595.24 U2.134@3344.83,1525.13
  Bottom Layer w8: v1(756,1381) 757,1381 1056,1680 v1(1120.31,1680)